# Altium PCB 智能车主板.PcbDoc (part 1 of 3) (continued)
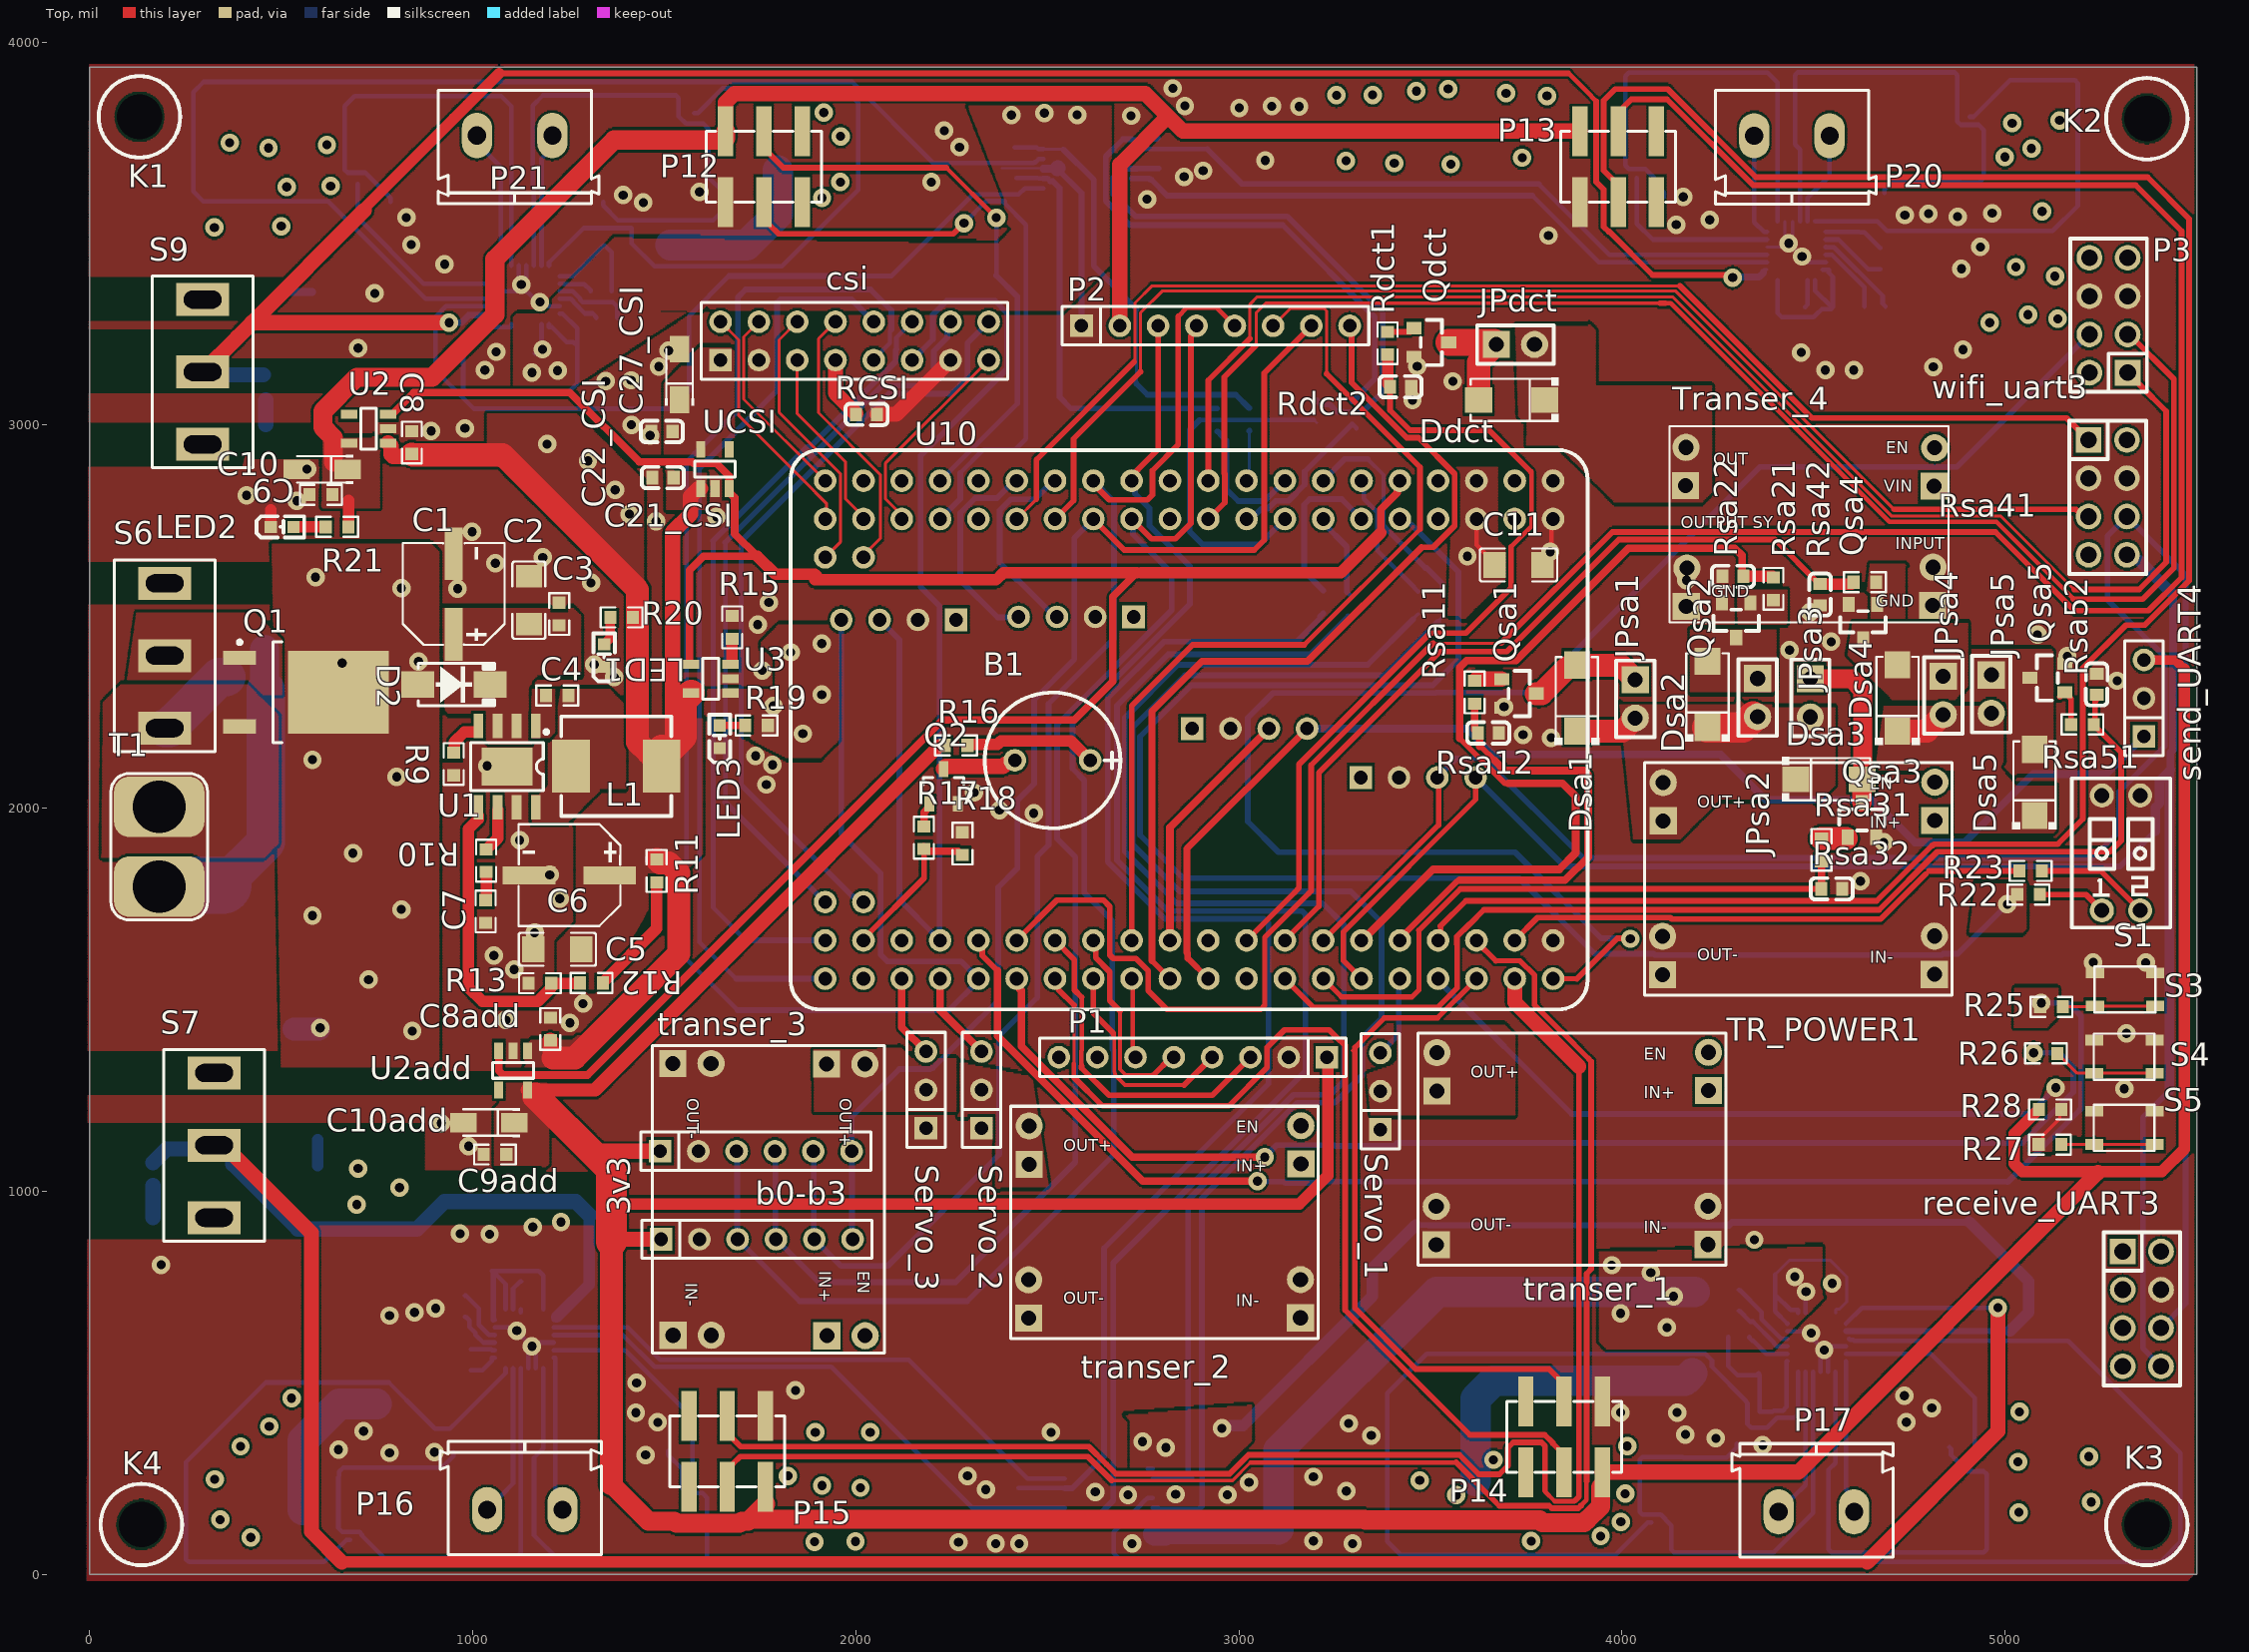
[diagram p0: Top view]
## Components (designator, comment, footprint, x,y, rotation, side; value= is the part's Value field where it differs from the comment) (continued)
P14 "编码器接口*4" HDR2X3-SMT 3848.9,359.38 r180 top
P15 "编码器接口*4" HDR2X3-SMT 1664.2,321.3 r180 top
P16 "KF301-5.0-2P" 端子 1135.93,169.1 r0 top
P17 "KF301-5.0-2P" 端子 4507.23,163.3 r0 top
P20 "KF301-5.0-2P" 端子 4443.43,3755.6 r180 top
P21 "KF301-5.0-2P" 端子 1109.43,3756.2 r180 top
Q1 "mos管" TO-252AA 520.4,2303.1 r0 top
Q2 "S8050" SOT-23（s8050三极管） 2239.2,2061.92 r270 top
Q3 "TPH1R403NL" DSOP-8_L5.0-W5.0-P1.27-EP-TL 570.95,164.97 r270 bottom
Q4 "TPH1R403NL" DSOP-8_L5.0-W5.0-P1.27-EP-TL 875,210 r0 bottom
Q5 "TPH1R403NL" DSOP-8_L5.0-W5.0-P1.27-EP-TL 1685.95,164.97 r90 bottom
Q6 "TPH1R403NL" DSOP-8_L5.0-W5.0-P1.27-EP-TL 1435,212.72 r0 bottom
Q7 "TPH1R403NL" DSOP-8_L5.0-W5.0-P1.27-EP-TL 3967.72,210 r270 bottom
Q8 "TPH1R403NL" DSOP-8_L5.0-W5.0-P1.27-EP-TL 4225,232.72 r0 bottom
Q9 "TPH1R403NL" DSOP-8_L5.0-W5.0-P1.27-EP-TL 5030,220 r90 bottom
Q10 "TPH1R403NL" DSOP-8_L5.0-W5.0-P1.27-EP-TL 4780,222.72 r0 bottom
Q11 "TPH1R403NL" DSOP-8_L5.0-W5.0-P1.27-EP-TL 5017.28,3730 r90 bottom
Q12 "TPH1R403NL" DSOP-8_L5.0-W5.0-P1.27-EP-TL 4760,3715 r180 bottom
Q13 "TPH1R403NL" DSOP-8_L5.0-W5.0-P1.27-EP-TL 3930,3720 r270 bottom
Q14 "TPH1R403NL" DSOP-8_L5.0-W5.0-P1.27-EP-TL 4185,3705 r180 bottom
Q15 "TPH1R403NL" DSOP-8_L5.0-W5.0-P1.27-EP-TL 1687.28,3740 r90 bottom
Q16 "TPH1R403NL" DSOP-8_L5.0-W5.0-P1.27-EP-TL 1415,3692.28 r180 bottom
Q17 "TPH1R403NL" DSOP-8_L5.0-W5.0-P1.27-EP-TL 590,3705 r270 bottom
Q18 "TPH1R403NL" DSOP-8_L5.0-W5.0-P1.27-EP-TL 860,3692.28 r180 bottom
Qdct "AO3402" ao3402 3502.3,3215.9 r180 top
Qsa1 "AO3402" ao3402 3731.3,2299.5 r180 top
Qsa2 "AO3402" ao3402 4297.9,2490.8 r90 top
Qsa3 "AO3402" ao3402 4626.2,1969.7 r270 top
Qsa4 "AO3402" ao3402 4629.1,2487.1 r90 top
Qsa5 "AO3402" ao3402 5110.12,2340.2 r0 top
R1 "100R" 0603R 3220.8,2538.2 r270 bottom
R2 "100R" 0603R 3286.3,2530.3 r270 bottom
R3 "100R" 0603R 3468.3,2536.3 r270 bottom
R4 "100R" 0603R 3532.8,2530 r270 bottom
R5 "100R" 0603R 3027.7,3015.2 r90 bottom
R6 "100R" 0603R 2943.3,3013.5 r90 bottom
R7 "100R" 0603R 3296,3032.1 r90 bottom
R8 "100R" 0603R 3202.9,3036.1 r90 bottom
R9 "200K" 0603R 950.4,2115.6 r270 top
R10 "20K" 0603R 1035.2,1863.1 r270 top
R11 "51K" 0603R 1480.2,1836.4 r270 top
R12 "1.5K" 0603R 1310,1543.9 r180 top
R13 "10K" 0603R 1175.3,1543.1 r180 top
R14 "10K" 0603R 455.3,2445.7 r270 bottom
R15 "4.7K" 0603R 1677.2,2472.1 r90 top
R16 "10R" 0603R 2261.7,2164 r0 top
R17 "4.7K" 0603R 2177.5,1923 r90 top
R18 "10K" 0603R 2278.3,1907.9 r90 top
R19 "10K" 0603R 1740.7,2216.1 r0 top
R20 "10K" 0603R 1388.7,2498.2 r0 top
R21 "4.7K" 0603R 646,2734.5 r0 top
R22 "100R" 0603R 5061.2,1774.7 r180 top
R23 "100R" 0603R 5066.6,1836.5 r180 top
R25 "100R" 0603R 5121.1,1481.5 r180 top
R26 "100R" 0603R 5106.6,1359.9 r180 top
R27 "100R" 0603R 5117,1121.9 r180 top
R28 "4.7K" 0603R 5117.46,1213.8 r180 top
R29 "330R" R0603 165,1045 r270 bottom
R30 "2.2K" R0603 530,1390 r270 bottom
R31 "1K" R0603 595,1165 r90 bottom
R32 "10K" 0603R 2400,145 r180 bottom
R33 "10K" 0603R 2395,225 r180 bottom
R34 "10K" 0603R 2930,175 r180 bottom
R35 "10K" 0603R 2905.34,250 r180 bottom
R36 "2.2K" R0603 400,3460 r270 bottom
R37 "1K" R0603 480,3350 r180 bottom
R38 "330R" R0603 457.3,3097.8 r270 bottom
R39 "10K" 0603R 2820,3750 r0 bottom
R40 "10K" 0603R 2820,3670 r0 bottom
R41 "10K" 0603R 2385,3725 r0 bottom
R42 "10K" 0603R 2390,3645 r0 bottom
RCSI "10K" C0603 2028,3028.3 r180 top
Rdct1 "100R" 0603R 3388,3213.8 r90 top
Rdct2 "10k" C0603 3422.2,3100.1 r0 top
receive_UART3 "Header 4X2" HDR-2*4 5357.1,693.2 r270 top
Rsa11 "100R" 0603R 3615.3,2302.7 r90 top
Rsa12 "10k" C0603 3651,2196.4 r0 top
Rsa21 "100R" 0603R 4395.3,2572.8 r270 top
Rsa22 "10k" C0603 4289.4,2605.2 r180 top
Rsa31 "100R" 0603R 4520.7,1891.3 r90 top
Rsa32 "10k" C0603 4547.8,1789.5 r0 top
Rsa41 "100R" 0603R 4634,2590.1 r0 top
Rsa42 "10k" C0603 4517,2557.55 r270 top
Rsa51 "100R" 0603R 5201.7,2218.5 r180 top
Rsa52 "10k" C0603 5239.2,2323.4 r90 top
S1 "编码开关" 拨码开关 5302.7,1883.3 r0 top
S3 "6x6x5" 轻触开关 5313.3,1526.9 r0 top
S4 "6x6x5" 轻触开关 5311.2,1351.5 r0 top
S5 "6x6x5" 轻触开关 5311.2,1165.7 r0 top
S6 "单刀双置开关" 逐飞黑开关 196,2398.1 r270 top
S7 "SS-12D10L5" 逐飞黑开关 325,1120 r90 top
S9 "SS-12D10L5" 逐飞黑开关 295,3138.98 r90 top
send_UART4 "HDR-1X3" HDR1X3 5362.5,2187.1 r90 top
Servo_1 "HDR-1X3" HDR1X3 3369.3,1161.3 r90 top
Servo_2 "HDR-1X3" HDR1X3 2328,1164.9 r90 top
Servo_3 "HDR-1X3" HDR1X3 2183,1164.9 r90 top
T1 "T型插头" T插头 181.7,1899.6 r0 top
TR_POWER1 "MPSxxVV10,1" MPSxxVV10,1模块贴片封装 4460.3,1815.5 r0 top locked
transer_1 "MPSxxVV10,1" MPSxxVV10,1模块贴片封装 3869.4,1110.4 r0 top locked
transer_2 "MPSxxVV10,1" MPSxxVV10,1模块贴片封装 2805.5,918.94 r0 top
transer_3 "MPSxxVV10,1" MPSxxVV10,1模块贴片封装 1772,979.3 r270 top
Transer_4 "MTxxVV10" MTxxVV10模块贴片封装 4475.24,2741.11 r0 top
U1 "SCT2450" SOP-8E 1089.7,2108.6 r270 top
U2 "RT9013-33" SOT-23-5（rt9013-33） 728.1,2990.7 r180 top
U2add "RT9013-33" SOT-23-5（rt9013-33） 1105.4,1315.7 r270 top
U3 "RY2121" SOT-23-5（rt9013-33） 1621.4,2338.2 r180 top
U4 "DRV8701ERGER" VQFN-24_L4.0-W4.0-P0.50-BL-EP2.8 1135,615 r90 bottom
U5 "DRV8701ERGER" VQFN-24_L4.0-W4.0-P0.50-BL-EP2.8 4508.22,605.48 r90 bottom
U6 "SN74HC125PWR" TSSOP-14_L5.0-W4.4-P0.65-LS6.5-BL 2660.16,199.41 r90 bottom
U7 "DRV8701ERGER" VQFN-24_L4.0-W4.0-P0.50-BL-EP2.8 1150,3340 r270 bottom
U8 "DRV8701ERGER" VQFN-24_L4.0-W4.0-P0.50-BL-EP2.8 4455,3455 r270 bottom
U9 "SN74HC125PWR" TSSOP-14_L5.0-W4.4-P0.65-LS6.5-BL 2605,3695 r270 bottom
U10 "RT1064 核心板" 核心板 2870,2205 r180 top locked
uart1 "Header 4" HDR1X4 2725,2499.5 r180 bottom
uart3 "Header 4" HDR1X4 3317.9,2080.1 r0 bottom
uart4 "Header 4" HDR1X4 2878,2207.9 r0 bottom
uart5 "uart5" HDR1X4 2262,2491.7 r180 bottom
UCSI "RT9013-33GB" SOT-23-5（rt9013-33） 1632.3,2885.42 r90 top
wifi_uart3 "Header 4X2" HDR-2*4 5268,2811.5 r270 top

## Footprints (in the part's own frame and the unit in brackets; to place one, negate y for a bottom-side part, rotate by r counter-clockwise, add the part's x,y. Pads: shape width x height; smd on the part's side, far side on the other; paste and mask are expansions set on the pad)
1N5819W_C727115 [mm]
  rect 1.8x1.7 smd mask+0.051: 1(-2.192,0) 2(2.192,0)
  silkscreen extent -3.11,-1.48 2.73,1.48
22uf25v贴片铝水解电容（6.3，7.7） [mm]
  rect 3.5x1.2 smd mask+0.051: 1(-2.67,0) 2(2.67,0)
  silkscreen extent -3.38,-3.38 3.38,3.38
0603R [mil]
  rect 31.75x34.02 smd mask+2: 1(-29.66,0) 2(29.66,0)
  silkscreen extent -55,-26 55,26
1206C [mm]
  rect 1.485x1.728 smd mask+0.051: 1(-1.593,0) 2(1.593,0)
  silkscreen extent -2.56,-1.09 2.56,1.09
ao3402 [mm]
  rect 1x0.8 smd paste+0 mask+0.051: 1(1.15,-0.95) 2(1.15,0.95) 3(-1.15,0)
  silkscreen extent -0.7,-1.5 0.7,1.5
C0603 [mm]
  rect 0.8x0.9 smd: 1(-0.7,0) 2(0.7,0)
  silkscreen extent -1.41,-0.71 1.39,0.72
"CASE-A-3216  钽电容" [mil]
  rect 69.19x51.02 smd mask+2: 1(-66.39,0) 2(66.39,0)
  silkscreen extent -81,-37 66,37
DSOP-8_L5.0-W5.0-P1.27-EP-TL [mm]
  rect 0.5x1 smd: 1(-1.906,-2.77) 2(-0.636,-2.77) 3(0.634,-2.77) 4(1.904,-2.77)
  rect 0.5x1.2 smd: 5(1.906,2.77) 6(0.636,2.77) 7(-0.634,2.77) 8(-1.904,2.77)
  rect 4.572x3.81 smd: 9(0,0.45)
  silkscreen extent -3.17,-3.17 2.5,2.5
HDR1X3 [mm]
  rect 1.5x1.5 hole 0.9: 1(0,0)
  round 1.5 hole 0.9: 2(2.54,0) 3(5.08,0)
  silkscreen extent -1.27,-1.27 6.35,1.27, body extent -1.27,-1.27 6.35,1.27, height 8.54
HDR1X4 [mm]
  rect 1.5x1.5 hole 0.9: 1(0,0)
  round 1.5 hole 0.9: 2(2.54,0) 3(5.08,0) 4(7.62,0)
  silkscreen extent -1.27,-1.27 8.89,1.27, body extent -1.27,-1.27 8.89,1.27, height 8.54
HDR1X6 [mm]
  rect 1.5x1.5 hole 0.9: 1(0,0)
  round 1.5 hole 0.9: 2(2.54,0) 3(5.08,0) 4(7.62,0) 5(10.16,0) 6(12.7,0)
  silkscreen extent -1.27,-1.27 13.97,1.27, body extent -1.27,-1.27 13.97,1.27, height 8.54
HDR1X8 [mm]
  rect 1.5x1.5 hole 0.9: 1(0,0)
  round 1.5 hole 0.9: 2(2.54,0) 3(5.08,0) 4(7.62,0) 5(10.16,0) 6(12.7,0) 7(15.24,0) 8(17.78,0)
  silkscreen extent -1.27,-1.27 19.05,1.27, body extent -1.27,-1.27 19.05,1.27, height 8.54
HDR2X3-SMT [mm]
  rect 1.02x3.3 smd: 1(-2.54,-2.35) 2(-2.54,2.35) 3(0,-2.35) 4(0,2.35) 5(2.54,-2.35) 6(2.54,2.35)
  silkscreen extent -3.81,-2.35 3.81,2.35, body extent -3.81,-3.75 3.81,3.75, height 9.67
HDR2X8 [mm]
  rect 1.5x1.5 hole 0.9: 1(0,0)
  round 1.5 hole 0.9: 2(0,2.54) 3(2.54,0) 4(2.54,2.54) 5(5.08,0) 6(5.08,2.54) 7(7.62,0) 8(7.62,2.54) 9(10.16,0) 10(10.16,2.54) 11(12.7,0) 12(12.7,2.54) 13(15.24,0) 14(15.24,2.54) 15(17.78,0) 16(17.78,2.54)
  silkscreen extent -1.27,-1.27 19.05,3.81, body extent -1.52,-1.27 19.3,3.81, height 16.2
HDR-2*4 [mm]
  rect 1.7x1.7 hole 1.1 mask+0.051: 1(-3.81,-1.27)
  round 1.7 hole 1.1 mask+0.051: 2(-3.81,1.27) 3(-1.27,-1.27) 4(-1.27,1.27) 5(1.27,-1.27) 6(1.27,1.27) 7(3.81,-1.27) 8(3.81,1.27)
  silkscreen extent -5.08,-2.54 5.08,2.54
HDR-2P [mm]
  rect 1.8x1.8 hole 1 paste+0 mask+0.051: 1(-1.27,0)
  round 1.8 hole 1 paste+0 mask+0.051: 2(1.27,0)
  silkscreen extent -2.54,-1.27 2.54,1.27
LED0603-RD [mm]
  rect 0.8x0.8 smd: 1(-0.799,-0.003) 2(0.799,0.004)
  silkscreen extent -1.49,-0.75 1.39,0.76
"led 0603" [mm]
  rect 0.8x0.8 smd mask+0.051: 1(0.75,0) 2(-0.75,0)
  silkscreen extent -1.7,-0.7 1.47,0.7
MPSxxVV10,1模块贴片封装 [mm]
  round 1.8 hole 1 paste+0 mask+0.051: 1(-8.96,6.39) 3(-9,-3.81) 6(9.02,-3.79) 8(9.05,6.41)
  rect 1.8x1.8 hole 1 paste+0 mask+0.051: 2(-8.96,3.85) 4(-9,-6.35) 5(9.02,-6.33) 7(9.05,3.87)
  Top region: -9.28,3.53 -9.28,4.17 -8.64,4.17 -8.64,3.53 -9.28,3.53
  Top region: -9.28,6.07 -9.28,6.71 -8.64,6.71 -8.64,6.07 -9.28,6.07
  silkscreen extent -10.2,-7.7 10.2,7.7
MTxxVV10模块贴片封装 [mm]
  round 1.8 hole 1 paste+0 mask+0.051: 1(8.66,5.07) 3(8.55,-2.84) 4(-7.77,-2.9) 5(-7.83,5.1)
  rect 1.8x1.8 hole 1 paste+0 mask+0.051: 2(8.62,2.53) 3(8.51,-5.38) 4(-7.81,-5.44) 5(-7.87,2.56)
  Top region: 8.23,-3.16 8.23,-2.52 8.87,-2.52 8.87,-3.16 8.23,-3.16
  Top region: 8.23,-5.7 8.23,-5.06 8.87,-5.06 8.87,-5.7 8.23,-5.7
  Top region: -8.09,-3.22 -8.09,-2.58 -7.45,-2.58 -7.45,-3.22 -8.09,-3.22
  Top region: -8.09,-5.76 -8.09,-5.12 -7.45,-5.12 -7.45,-5.76 -8.09,-5.76
  Top region: -8.15,4.78 -8.15,5.42 -7.51,5.42 -7.51,4.78 -8.15,4.78
  Top region: -8.15,2.24 -8.15,2.88 -7.51,2.88 -7.51,2.24 -8.15,2.24
  silkscreen extent -8.92,-6.5 9.58,6.5
R0603 [mil]
  rect 31.75x34.02 smd: 1(-29.66,0) 2(29.66,0)
  silkscreen extent -55,-26 55,26
SMA（SS54） [mm]
  rect 2.2x1.75 smd: A(-2.4,0) K(2.4,0)
  silkscreen extent -2.37,-1.4 2.7,1.4, body extent -2.9,-1.46 2.91,1.46, height 2.3
SOD-123 [mm]
  rect 1x0.85 smd: A(-1.75,0) K(1.75,0)
  silkscreen extent -1.32,-0.9 1.47,0.9, body extent -1.85,-0.8 1.85,0.8, height 1.2
SOD-123_L2.7-W1.6-LS3.7-RD [mm]
  rect 0.88x0.96 smd: 1(-1.61,0) 2(1.61,0)
  silkscreen extent -1.6,-1 1.38,1
SOP-8E [mm]
  rect 2.5x3.4 smd: 0(0,0)
  rect 1.6x0.65 smd: 1(-2.7,1.905) 2(-2.7,0.635) 3(-2.7,-0.635) 4(-2.7,-1.905) 5(2.7,-1.905) 6(2.7,-0.635) 7(2.7,0.635) 8(2.7,1.905)
  silkscreen extent -2.42,-2.4 1.58,2.73, body extent -3.11,-2.45 3.11,2.45, height 1.75
SOT-23-5（rt9013-33） [mm]
  rect 1.1x0.6 smd: 1(-1.3,0.95) 2(-1.3,0) 3(-1.3,-0.95) 4(1.3,-0.95) 5(1.3,0.95)
  silkscreen extent -0.53,-1.35 0.53,1.35, body extent -1.42,-1.46 1.42,1.46, height 1.08
SOT-23（s8050三极管） [mm]
  rect 1.05x0.65 smd: 1(1.277,-1.204) 2(1.277,0.696) 3(-1.023,-0.254)
  silkscreen extent -0.46,-1.6 0,1.09, body extent -1.27,-1.7 1.53,1.2, height 1.2
TO-252AA [mm]
  rect 6.7x5.5 smd: 1(3.275,0)
  rect 2.2x0.95 smd: 2(-3.275,2.28) 3(-3.275,-2.28)
  silkscreen extent -3.4,-3.35 -0.47,3.43, body extent -3.77,-3.27 6.16,3.27, height 2.39
TSSOP-14_L5.0-W4.4-P0.65-LS6.5-BL [mil]
  rect 12x39 smd: 1(-76.77,-115.16) 2(-51.18,-115.16) 3(-25.59,-115.16) 4(0,-115.16) 5(25.59,-115.16) 6(51.18,-115.16) 7(76.77,-115.16) 8(76.77,115.16) 9(51.18,115.16) 10(25.59,115.16) 11(0,115.16) 12(-25.59,115.16) 13(-51.18,115.16) 14(-76.77,115.16)
  silkscreen extent -106,-121 98,87
T插头 [mm]
  rrect50% 6x4 hole 3.5: 1(0,2.65) 2(0,-2.65)
  silkscreen extent -3.2,-4.85 3.2,4.85
VQFN-24_L4.0-W4.0-P0.50-BL-EP2.8 [mm]
  rect 0.3x0.7 smd: 1(-1.25,-1.95) 2(-0.75,-1.95) 3(-0.25,-1.95) 4(0.25,-1.95) 5(0.75,-1.95) 6(1.25,-1.95) 13(1.25,1.95) 14(0.75,1.95) 15(0.25,1.95) 16(-0.25,1.95) 17(-0.75,1.95) 18(-1.25,1.95)
  rect 0.7x0.3 smd: 7(1.95,-1.25) 8(1.95,-0.75) 9(1.95,-0.25) 10(1.95,0.25) 11(1.95,0.75) 12(1.95,1.25) 19(-1.95,1.25) 20(-1.95,0.75) 21(-1.95,0.25) 22(-1.95,-0.25) 23(-1.95,-0.75) 24(-1.95,-1.25)
  rect 2.8x2.8 smd: 25(0,0)
  silkscreen extent -2.1,-2.67 2.1,2.1
功率电感SMD_L7.3-W6.6 [mm]
  rect 2.5x3.5 smd mask+0.051: 1(-3,0) 2(3,0)
  silkscreen extent -3.65,-3.3 3.65,3.3
固定孔M3 [mm]
  rect 0x0 hole 3 unplated: 1(0,0)
  Keep-Out Layer circle w0.254: c0,0 r2.7
  silkscreen extent -2.7,-2.7 2.7,2.7
拨码开关 [mm]
  round 1.6 hole 1 mask+0.05: 1(-1.27,-3.81) 2(1.27,-3.81) 3(1.27,3.81) 4(-1.27,3.81)
  silkscreen extent -3.27,-4.95 3.27,4.95
核心板 [mm] "i.MX RT1064核心板整体封装，可直接使用"
  round 1.5 hole 0.9: 1(-24.13,-16.51) 2(-24.13,-13.97) 3(-21.59,-16.51) 4(-21.59,-13.97) 5(-19.05,-16.51) 6(-19.05,-13.97) 7(-16.51,-16.51) 8(-16.51,-13.97) 9(-13.97,-16.51) 10(-13.97,-13.97) 11(-11.43,-16.51) 12(-11.43,-13.97) 13(-8.89,-16.51) 14(-8.89,-13.97) 15(-6.35,-16.51) 16(-6.35,-13.97) 17(-3.81,-16.51) 18(-3.81,-13.97) 19(-1.27,-16.51) 20(-1.27,-13.97) 21(1.27,-16.51) 22(1.27,-13.97) 23(3.81,-16.51) 24(3.81,-13.97) 25(6.35,-16.51) 26(6.35,-13.97) 27(8.89,-16.51) 28(8.89,-13.97) 29(11.43,-16.51) 30(11.43,-13.97) 31(13.97,-16.51) 32(13.97,-13.97) 33(16.51,-16.51) 34(16.51,-13.97) 35(19.05,-16.51) 36(19.05,-13.97) 37(21.59,-16.51) 38(21.59,-13.97) 39(24.13,-16.51) 40(24.13,-13.97) 41(21.59,-11.43) 42(24.13,-11.43) 43(24.13,11.43) 44(21.59,11.43) 45(24.13,13.97) 46(24.13,16.51) 47(21.59,13.97) 48(21.59,16.51) 49(19.05,13.97) 50(19.05,16.51) 51(16.51,13.97) 52(16.51,16.51) 53(13.97,13.97) 54(13.97,16.51) 55(11.43,13.97) 56(11.43,16.51) 57(8.89,13.97) 58(8.89,16.51) 59(6.35,13.97) 60(6.35,16.51) 61(3.81,13.97) 62(3.81,16.51) 63(1.27,13.97) 64(1.27,16.51) 65(-1.27,13.97) 66(-1.27,16.51) 67(-3.81,13.97) 68(-3.81,16.51) 69(-6.35,13.97) 70(-6.35,16.51) 71(-8.89,13.97) 72(-8.89,16.51) 73(-11.43,13.97) 74(-11.43,16.51) 75(-13.97,13.97) 76(-13.97,16.51) 77(-16.51,13.97) 78(-16.51,16.51) 79(-19.05,13.97) 80(-19.05,16.51) 81(-21.59,13.97) 82(-21.59,16.51) 83(-24.13,13.97) 84(-24.13,16.51)
  silkscreen extent -26.42,-18.54 26.42,18.54
端子 [mm]
  oval 2x3 hole 1.2: 1(-2.5,0) 2(2.5,0)
  silkscreen extent -5.6,-3 5.08,4.52, body extent -5.6,-3 5,4.6, height 10
蜂鸣器 [mm]
  round 1.5 hole 0.9: 1(-2.5,0) 2(2.5,0)
  silkscreen extent -4.5,-4.5 4.5,4.5, body extent -4.8,-4.8 4.8,4.8, height 5.05
轻触开关 [mm]
  rect 1.2x0.7 smd: 1(-2,-1.1) 1(2,-1.1) 2(-2,1.1) 2(2,1.1)
  silkscreen extent -2.02,-1.52 2,1.52, body extent -2.3,-1.6 2.3,1.6, height 2.5
逐飞黑开关 [mm]
  rect 2.2x3.5 hole 2.5 slot 1.2 at 0 deg mask+0.07: 1(-4.8,0) 2(0,0) 3(4.8,0)
  silkscreen extent -6.35,-3.35 6.35,3.35, body extent -6.4,-3.3 6.35,3.8, height 12.5

## Part data
3v3 b0-b3: library part "Header 6", "6P接插件", BOM名称=6P接插件, 学习资源=https://shop463601444.taobao.com, 版权归属="封装库来自淘宝 ID：黄晶宝石"
B1: "蜂鸣器", BOM名称=蜂鸣器, 学习资源=www.ooocke.com, 版权归属=源创客
C1 C6 C27_CSI: library part 带+电容, "贴片钽电容", BOM名称=贴片钽电容, 淘宝ID="封装库来自淘宝 ID：黄晶宝石", 联系售后=https://shop463601444.taobao.com
C2 C3 C4 C5 C7 C8 C8add C9 C9add C11 C21_CSI C22_CSI: library part C, "无极性贴片电容", BOM名称=无极性贴片电容, 学习资源=www.ooocke.com, 材质=X7R, 版权归属=源创客
C10 C10add: library part 带+电容, "贴片钽电容 T494B106K016AT", BOM名称=贴片钽电容, 淘宝ID="封装库来自淘宝 ID：黄晶宝石", 联系售后=https://shop463601444.taobao.com
C12 C19 C30 C32: library part 10uF_1, BOM_JLCPCB Part Class="Extended Part", BOM_Manufacturer=SAMSUNG, BOM_Manufacturer Part=CL21B106KOQNNNE, BOM_Supplier=LCSC, BOM_Supplier Part=C95841, nameAlias=Capacitance, spicePre=C, spiceSymbolName=CL21B106KOQNNNE
C13 C14 C20 C22 C26 C27 C33 C34: BOM_JLCPCB Part Class="Basic Part", BOM_Manufacturer=YAGEO, BOM_Manufacturer Part=CC0603KRX7R9BB104, BOM_Supplier=LCSC, BOM_Supplier Part=C14663, nameAlias=Capacitance, spicePre=C, spiceSymbolName=CC0603KRX7R9BB104
C15 C16 C17 C21 C23 C24 C28 C29 C31 C35 C36 C37: library part 100nF, BOM_JLCPCB Part Class="Basic Part", BOM_Manufacturer=YAGEO, BOM_Manufacturer Part=CC0603KRX7R9BB104, BOM_Supplier=LCSC, BOM_Supplier Part=C14663, nameAlias=Capacitance, spicePre=C, spiceSymbolName=CC0603KRX7R9BB104
C18 C25: library part 100uF, BOM_JLCPCB Part Class="Extended Part", BOM_Manufacturer=Ymin, BOM_Manufacturer Part=VPXC0581E101MVTM, BOM_Supplier=LCSC, BOM_Supplier Part=C480063, Contributor=LCSC, nameAlias=Capacitance, spicePre=C, spiceSymbolName=VPXC0581E101MVTM
csi: "8*2P接插件", BOM名称=8*2P接插件, 学习资源=https://shop463601444.taobao.com, 版权归属="封装库来自淘宝 ID：黄晶宝石"
D1: BOM_JLCPCB Part Class="Extended Part", BOM_Manufacturer="Shandong Jingdao Microelectronics", BOM_Manufacturer Part=BZT52C16, BOM_Supplier=LCSC, BOM_Supplier Part=C353554, Contributor=LCSC, spicePre=D, spiceSymbolName=BZT52C16_C353554
D2: library part SS54, BOM_JLCPCB Part Class="Extended Part", BOM_Manufacturer="Slkor(SLKORMICRO Elec.)", BOM_Manufacturer Part=SS54, BOM_Supplier=LCSC, BOM_Supplier Part=C513478, Contributor=LCSC, spicePre=D, spiceSymbolName=SS54_C513478
D3 D4 D7 D8 Ddct Dsa1 Dsa2 Dsa3 Dsa4 Dsa5: BOM_JLCPCB Part Class="Extended Part", BOM_Manufacturer=TWGMC, BOM_Manufacturer Part=1N5819W, BOM_Supplier=LCSC, BOM_Supplier Part=C727115, Contributor=LCSC, spicePre=D, spiceSymbolName=1N5819W_C727115
D5 D6: library part 3V3稳压二极管, BOM_JLCPCB Part Class="Extended Part", BOM_Manufacturer=LGE, BOM_Manufacturer Part=BZT52C3V3, BOM_Supplier=LCSC, BOM_Supplier Part=C545347, Contributor=LCSC, spicePre=D, spiceSymbolName=BZT52C3V3_C545347
JPdct JPsa1 JPsa2 JPsa3 JPsa4 JPsa5: library part "Header 2", "2P接插件", BOM名称=2P接插件, 学习资源=www.ooocke.com, 版权归属=源创客
K1 K2 K3 K4: "铜柱孔", BOM名称=铜柱孔, 学习资源=www.ooocke.com, 版权归属=源创客
L1: library part 电感
LED1 LED2 LED3: library part LED-5MM, "5mm插件LED", BOM名称=5mm插件LED, 学习资源=www.ooocke.com, 版权归属=源创客
LED4 LED5 LED6 LED7: BOM_JLCPCB Part Class="Extended Part", BOM_Manufacturer="Wuxi ARK Tech Elec", BOM_Manufacturer Part=D-G060306G1-KS2, BOM_Supplier=LCSC, BOM_Supplier Part=C118334, Contributor=LCSC, spicePre=L, spiceSymbolName=D-G060306G1-KS2
P1: library part "Header 8", "8P接插件", BOM名称=8P接插件, 学习资源=https://shop463601444.taobao.com, 版权归属="封装库来自淘宝 ID：黄晶宝石"
P2: library part "Header 8", "屏幕", BOM名称=8P接插件, 学习资源=https://shop463601444.taobao.com, 版权归属="封装库来自淘宝 ID：黄晶宝石"
P3: library part 无线串口模块
P16 P17 P20 P21: BOM_JLCPCB Part Class="Extended Part", BOM_Manufacturer="Cixi Kefa Elec", BOM_Manufacturer Part=KF301-5.0-2P, BOM_Supplier=LCSC, BOM_Supplier Part=C474881, Contributor=LCSC, spicePre=U, spiceSymbolName=KF301-5.0-2P
Q1: "HY19P03 P-Channel MOSFET"
Q2: library part 三极管, "三极管NPN型 蜂鸣器  S8050", BOM名称=高频放大-NPN型, 属性="40V 1.5A 1W 100MHZ", 技术支持，联系售后=https://shop463601444.taobao.com, 版权归属="封装库来自淘宝 ID：黄晶宝石"
Q3 Q4 Q5 Q6 Q7 Q8 Q9 Q10 Q11 Q12 Q13 Q14 Q15 Q16 Q17 Q18: BOM_JLCPCB Part Class="Extended Part", BOM_Manufacturer=TOSHIBA, BOM_Manufacturer Part=TPH1R403NL, BOM_Supplier=LCSC, BOM_Supplier Part=C83440, spicePre=Q, spiceSymbolName=TPH1R403NL
Qdct Qsa1 Qsa2 Qsa3 Qsa4 Qsa5: Continuous Drain Current (Id)=4A, Drain Source On Resistance (RDS(on)@Vgs,Id)=55mΩ@10V,4A, Drain Source Voltage (Vdss)=30V, Gate Threshold Voltage (Vgs(th)@Id)=1.4V@250uA, Input Capacitance (Ciss@Vds)=390pF@15V, JLCPCB Part Class="Extended Part", LCSC Part Name="N沟道 30V 4A", Manufacturer=AOS, Operating Temperature=-55℃~+150℃@(Tj), Power Dissipation (Pd)=1.4W, Add into BOM=yes, Convert to PCB=yes, Datasheet=https://atta.szlcsc.com/upload/public/pdf/source/20171023/C14385_15087455190191052858.pdf, Device=AO3402, Manufacturer Part=AO3402, Name=AO3402, Supplier=LCSC, Supplier Footprint=SOT-23, Supplier Part=C14385, Symbol=AO3402_C14385, Total Gate Charge (Qg@Vgs)=4.34nC@4.5V, Type=N沟道
R1 R2 R3 R4 R5 R7 R8: library part R, "0603"
R6: library part R, "100R 均用 0603"
R9 R10 R11 R12 R13 R14 R15 R16 R17 R18 R19 R20 R21 R22 R23 R25 R26 R27 R28 RCSI Rdct1 Rdct2 Rsa11 Rsa12 Rsa21 Rsa22 Rsa31 Rsa32 Rsa41 Rsa42 Rsa51 Rsa52: library part R
R29 R30 R31 R32 R33 R34 R35 R36 R37 R38 R39 R40 R41 R42: library part 100K, BOM_JLCPCB Part Class="Extended Part", BOM_Manufacturer=YAGEO, BOM_Manufacturer Part=RC0603JR-07100KL, BOM_Supplier=LCSC, BOM_Supplier Part=C100048, Contributor=LCSC, nameAlias="Resistance (Ohms)", spicePre=R, spiceSymbolName=RC0603JR-07100KL
receive_UART3 wifi_uart3: "4*2P接插件", BOM名称=4*2P接插件, 学习资源=https://shop463601444.taobao.com, 版权归属="封装库来自淘宝 ID：黄晶宝石"
S1: "2路编码开关", BOM名称=2路编码开关, 学习资源=www.ooocke.com, 版权归属=源创客
S3 S4 S5: library part 轻触开关, "2脚直插6x6轻触开关", BOM名称=2脚轻触开关, 学习资源=www.ooocke.com, 版权归属=源创客
S7 S9: BOM_JLCPCB Part Class="Extended Part", BOM_Manufacturer="XKB Enterprise", BOM_Manufacturer Part=SS-12D10L5, BOM_Supplier=LCSC, BOM_Supplier Part=C319012, Contributor=LCSC, spicePre=S, spiceSymbolName=SS-12D10L5
send_UART4 Servo_1 Servo_2 Servo_3: library part "Header 3", "3P接插件", BOM名称=3P接插件, 学习资源=https://shop463601444.taobao.com, 版权归属="封装库来自淘宝 ID：黄晶宝石"
U1: BOM_JLCPCB Part Class="Extended Part", BOM_Manufacturer=SCT(芯洲科技), BOM_Manufacturer Part=SCT2450CSTER, BOM_Supplier=LCSC, BOM_Supplier Part=C2830168, Contributor=LCSC, spicePre=U, spiceSymbolName=SCT2450CSTER
U2 U2add: BOM_JLCPCB Part Class="Extended Part", BOM_Manufacturer=RICHTEK, BOM_Manufacturer Part=RT9013-33GB, BOM_Supplier=LCSC, BOM_Supplier Part=C47773, spicePre=U, spiceSymbolName=RT9013-33GB
U3: BOM_Manufacturer=RYCHiP(蕊源), BOM_Manufacturer Part=RY2121, BOM_Supplier=LCSC, BOM_Supplier Part=C2887853, Contributor=LCSC, spicePre=U, spiceSymbolName=RY2121
U4 U5 U6 U7 U8 U9: BOM_JLCPCB Part Class="Extended Part", BOM_Manufacturer="Texas Instruments", BOM_Supplier=LCSC, Contributor=LCSC, spicePre=U
  U4 U5 U7 U8: BOM_Manufacturer Part=DRV8701ERGER, BOM_Supplier Part=C90964, spiceSymbolName=DRV8701ERGER
  U6 U9: BOM_Manufacturer Part=SN74HC125PWR, BOM_Supplier Part=C132994, spiceSymbolName=SN74HC125PWR
U10: library part MIMXRT1064xVL_CoreBoard, "逐飞科技i.MX RT1064核心板整体原理，可直接使用"
uart1: library part UART1
uart3 uart4: library part UART4
uart5: library part PZ254V-11-04P, Color=黑色, Current Rating (Max)=3A, JLCPCB Part Class="Extended Part", LCSC Part Name="2.54mm 1x4P 直插 方针", Manufacturer=XFCN(兴飞), Operating Temperature Range=-40℃~+105℃, Voltage Rating (Max)=250V, Add into BOM=yes, Circluar Pins/Square Pins=方针, Contact Material=-, Convert to PCB=yes, Datasheet=https://atta.szlcsc.com/upload/public/pdf/source/20200309/C492403_F9F19131791D08044AD4F84F8E751A34.pdf, Device=PZ254V-11-04P, Insulation Height=2.5mm, Length of End Connection Pin=3mm, Length of Mating Pin=6mm, Manufacturer Part=PZ254V-11-04P, Mounting Type=直插, Name=PZ254V-11-04P, Number of Pins=4P, Number of Rows=单排, Pin Structure=1x4P, Pitch=2.54mm, Row Spacing=-, Supplier=LCSC, Supplier Footprint=插件,P=2.54mm, Supplier Part=C2691448, Symbol=PZ254V-11-04P_C2691448
UCSI: library part RT9013-33, BOM_JLCPCB Part Class="Extended Part", BOM_Manufacturer=RICHTEK, BOM_Manufacturer Part=RT9013-33GB, BOM_Supplier=LCSC, BOM_Supplier Part=C47773, spicePre=U, spiceSymbolName=RT9013-33GB
S6: BOM名称=MTS10x系列3脚扭子开关, 学习资源=www.ooocke.com, 版权归属=源创客

## Via types
v1: diameter 48, hole 24, Top to Bottom, tented both sides, 262 vias

## Nets (pads, with @x,y where several pads share a name; then routed paths per layer and width w, separated by ;. In a path a pad name is that pad's centre, name@x,y a point inside that pad or via, vN(x,y) a via of type N, cw(c..) or ccw(c..) an arc to the next point about the centre after c; other vN are vias at no path point)
3V3: 3v3.1 b0-b3.1 C9add.2 C10add.1 P1.1 P14.2 P15.2 R16.1 R28.2 send_UART4.3 U2add.5 | length 11500.6
  Top w5: P15.2@1764.2,183.9 P15.2@1764.2,228.78
  Top w8: 1326.15,1087.25 1343.4,1104.5 ; 1362.2,868.4 1368.7,874.9
  Top w25: send_UART4.3@5362.5,2387.1 5444,2387.1 5468,2363.1
  Top w30: 1362.2,966.4 3157.46,966.4 3231.7,1040.64 3231.7,1348.3 P1.1@3230,1350 ; R16.1@2217.5,2162.9 2230.94,2162.9 R16.1@2232.04,2164 ; R28.2@5087.8,1213.8 5087.8,1212.67 5086.92,1211.79 5085.79,1211.79 5023.88,1149.88 5023.88,1072.22 5044.27,1051.82 5409.52,1051.82 5468,1110.3 5468,2363.1
  Top w35: U2add.5@1142.8,1264.52 1319.12,1264.52 1652.7,1598.1 R16.1@2217.5,2162.9
  Top w40: 1343.4,1104.5 3v3.1@1488.9,1104.5 ; 1368.7,874.9 b0-b3.1@1491.6,874.9 ; P14.2@3948.9,266.86 4460.16,266.86 5242.2,1048.9
  Top w50: 1362.2,236 1459.2,139 1526.51,139 1531.69,133.82 1696.71,133.82 1701.89,139 1719.3,139 P15.2@1764.2,183.9 ; 1724.4,144.1 3327.74,144.1 3329.94,141.9 3785.58,141.9 3792.58,134.9 3900.97,134.9 3907.97,141.9 3908.73,141.9 3943.98,177.15 P14.2@3943.98,226.9
  Top w60: 1362.2,236 1362.2,868.4
  Top w70: 1164.4,1249 1326.15,1087.25 1362.2,1051.2
  Top w80: 1362.2,868.4 1362.2,966.4 1362.2,1051.2
B0: 3v3.3 b0-b3.3 P2.3 U10.23 | length 3864.5
  Top w15: U10.23@2720,2855 2720,2866.92 2735.14,2882.06 2735.14,2883.44 2789.1,2937.4 P2.3@2789.1,3259.3
  Bottom w8: 3v3.3@1688.9,1104.5 3v3.3@1690.25,1103.15 ; b0-b3.3@1690.25,876.25 b0-b3.3@1691.6,874.9
  Bottom w15: b0-b3.3@1690.25,876.25 3v3.3@1690.25,1103.15 ; b0-b3.3@1691.6,874.9 1853.5,713 2291.2,713 2673.03,1094.83 2673.03,1367.82 2669.5,1371.35 2669.5,1519.88 2669.5,1706.1 2596.7,1778.9 2596.7,2072.6 2566,2103.3 2566,2226.7 2871.9,2532.6 2871.9,2631.9 2766.77,2737.03 2766.77,2782.93 2728.43,2821.27 2728.43,2846.57 U10.23@2720,2855
B1: 3v3.4 b0-b3.4 P2.4 U10.24 | length 3766
  Top w15: U10.24@2720,2755 2771.5,2703.5 2834.2,2703.5 2874.7,2744 2874.7,3232.98 2889.1,3247.38 P2.4@2889.1,3259.3
  Bottom w8: 3v3.4@1788.9,1104.5 3v3.4@1790.25,1103.15
  Bottom w15: b0-b3.4@1790.25,876.25 3v3.4@1790.25,1103.15 ; b0-b3.4@1791.6,874.9 1903.4,763.1 2260.2,763.1 2573.03,1075.93 2573.03,1367.82 2572.9,1367.95 2572.9,1872.8 2525.3,1920.4 2525.3,2218.4 2824.2,2517.3 2824.2,2614.1 2723.44,2714.86 2723.44,2751.56 U10.24@2720,2755
B2: 3v3.5 b0-b3.5 P2.5 U10.25 | length 3622.4
  Top w12: 2841.5,3283.7 2864,3306.2 2864,3306.8 2941.6,3306.8 P2.5@2989.1,3259.3
  Top w15: U10.25@2620,2855 2620,2846.6 2661.5,2805.1 2761.2,2805.1 2774.1,2818 2774.1,2881.6 2841.5,2949 2841.5,3283.7
  Bottom w8: 3v3.5@1888.9,1104.5 3v3.5@1890.25,1103.15
  Bottom w15: b0-b3.5@1890.25,876.25 3v3.5@1890.25,1103.15 ; b0-b3.5@1891.6,874.9 1961.6,804.9 2082.9,804.9 2374.5,1096.5 2374.5,1406.4 2473.7,1505.6 2473.7,1874.4 2503.2,1903.9 2503.2,2272.58 2674.2,2443.58 2674.2,2800.8 U10.25@2620,2855
B3: 3v3.6 b0-b3.6 P2.7 U10.26 | length 3292.2
  Top w15: U10.26@2620,2755 2700.8,2674.2 3040.1,2674.2 3066,2700.1 3066,3136.2 P2.7@3189.1,3259.3
  Bottom w8: 3v3.6@1988.9,1104.5 3v3.6@1990.25,1103.15 ; b0-b3.6@1990.25,876.25 b0-b3.6@1991.6,874.9
  Bottom w15: 3v3.6@1988.9,1104.5 1988.9,1193.9 2113.92,1318.92 2194.02,1318.92 2196.97,1321.87 2200.82,1321.87 2282.75,1403.8 2282.75,1408.75 2371.7,1497.7 2371.7,1793.7 2421.8,1843.8 2421.8,2020.58 2465.2,2063.98 2465.2,2283.4 2570.5,2388.7 2570.5,2705.5 U10.26@2620,2755 ; b0-b3.6@1990.25,876.25 3v3.6@1990.25,1103.15
B11: R17.1 R18.1 U10.47 | length 418.9
  Top w15: U10.47@2020,1655 2020,1659.13 2178.3,1817.43 R17.1@2178.3,1888.2 ; R17.1@2176.7,1895.44 R17.1@2176.7,1899.9
  Top w20: R17.1@2176.7,1895.44 R17.1@2178.8,1893.34 ; R17.1@2176.7,1899.22 2176.7,1896.01 2184.51,1888.2 2267.21,1888.2 2277.17,1878.24 R18.1@2278.3,1878.24 ; R17.1@2177.5,1893.34 R17.1@2177.9,1892.94
B12: U10.29 uart1.4 | length 575.9
  Top w12: U10.29@2407.27,2855 U10.29@2420,2855 ; uart1.4@2416,2508.5 uart1.4@2425,2499.5
  Bottom w8: uart1.4@2423.5,2498 uart1.4@2425,2499.5
  Bottom w15: U10.29@2420,2855 2413.8,2855 2368.71,2809.91 2312.11,2809.91 2273,2770.8 2273,2595.1 2370.1,2498 uart1.4@2423.5,2498
B13: U10.27 uart1.3 | length 533.2
  Top w12: uart1.3@2525,2499.5 uart1.3@2525,2509.66
  Top w15: U10.27@2517.9,2855 U10.27@2520,2855
  Bottom w15: U10.27@2520,2855 2515.7,2855 2467,2806.3 2404.5,2806.3 2375.6,2777.4 2375.6,2641.1 2421.6,2595.1 2424.1,2595.1 2519.7,2499.5 uart1.3@2525,2499.5
B14: U10.30 wifi_uart3.1 | length 3366.4
  Top w8: U10.30@2420,2755 2471.7,2806.7 ; 2726.7,3165.13 2728.63,3167.06 2728.63,3310.1 2728.63,3319 2773.43,3363.8 4150.7,3363.8
  Top w15: 2471.7,2806.7 2471.7,2910.13 2726.7,3165.13 ; 4150.7,3363.8 4495.6,3018.9 5160.6,3018.9 wifi_uart3.1@5218,2961.5
B15: U10.28 wifi_uart3.5 | length 3373.5
  Top w8: 2743.2,3139.1 2743.2,3293.4 2800.6,3350.8 4139.27,3350.8 4710.07,2780
  Top w15: U10.28@2520,2755 2568.4,2803.4 2568.4,2964.3 2743.2,3139.1 ; 4710.07,2780 5185.45,2780 5203.95,2761.5 wifi_uart3.5@5218,2761.5
B18: P12.3 U10.34 | length 1727.7
  Top w12: U10.34@2213.74,2761.26 U10.34@2220,2755
  Top w15: P12.3@1760,3582.48 1760,3537.6 1774.08,3523.52 1798.13,3499.47 2254.67,3499.47 v1(2282.5,3527.3)
  Bottom w12: 2272.6,2875.5 2333.7,2936.6 2416.6,2936.6 2444,2964 2444,3523.1 2388.54,3578.56 2388.54,3584.9 2340.1,3584.9 v1(2282.5,3527.3)
  Bottom w15: U10.34@2220,2755 2272.6,2807.6 2272.6,2875.5
B19: P12.4 U10.33 | length 1519.6
  Top w12: 2236.3,3672 v1(2366.7,3541.6)
  Top w15: P12.4@1760,3767.52 1760,3722.64 1810.64,3672 2236.3,3672
  Bottom w12: U10.33@2220,2855 2421.8,3056.8 ; 2366.7,3390.53 v1(2366.7,3541.6)
  Bottom w15: 2366.7,3390.53 2421.8,3335.43 2421.8,3056.8
B20: csi.15 U10.36 | length 544.4
  Top w8: U10.36@2120,2755 2120,2765.2 2077,2808.2 2077,2899.9 csi.15@2346.9,3169.8
B22: csi.5 U10.38 | length 486.5
  Top w8: csi.5@1846.9,3169.8 1846.9,3030.1 1972.53,2904.47 1972.53,2808.17 2020,2760.7 U10.38@2020,2755
B24: csi.2 U10.40 | length 630.6
  Top w8: csi.2@1646.9,3269.8 1694.1,3222.6 1694.1,3025.2 1889.58,2829.72 1890.52,2828.67 ccw(c1920,2855) 1894.52,2824.78 1923.27,2796.03 1923.27,2758.27 U10.40@1920,2755
B25: csi.4 U10.39 | length 519.2
  Top w8: csi.4@1746.9,3269.8 1707.37,3230.27 1707.37,3067.63 U10.39@1920,2855
B26: csi.6 U10.42 | length 717
  Top w8: csi.6@1846.9,3269.8 1799.6,3222.5 1799.6,3033.2 1959.53,2873.27 1959.53,2694.53 U10.42@1920,2655
B27: csi.8 U10.41 | length 718.1
  Top w8: csi.8@1946.9,3269.8 1902.7,3225.6 1902.7,3032.2 2064,2870.9 2064,2704.1 2020,2660.1 U10.41@2020,2655
B28: csi.10 U10.46 | length 2401.1
  Bottom w12: 1592.3,2888.4 1592.3,1650.1 1687.4,1555
  Bottom w15: 1592.3,2888.4 1794.7,3090.8 1794.7,3320.01 1803.49,3328.8 1987.9,3328.8 csi.10@2046.9,3269.8 ; 1687.4,1555 U10.46@1920,1555
B29: csi.12 U10.45 | length 2077
  Bottom w12: 1627.8,2698.18 1627.8,1740.2 1713,1655 ; 2105.9,3198.37 2105.9,3228.8 csi.12@2146.9,3269.8
  Bottom w15: 1627.8,2698.18 1872.56,2942.94 1880.39,2942.94 2060.85,3123.4 2061.35,3123.4 2103.87,3165.92 2103.87,3196.35 2105.9,3198.37 ; 1713,1655 U10.45@1920,1655
B30: csi.14 U10.43 | length 1933.2
  Bottom w8: 2203.87,3170.87 2207.67,3174.67
  Bottom w12: 1659.3,2015.7 1659.3,2693.57
  Bottom w15: 1659.3,2015.7 U10.43@1920,1755 ; 1659.3,2693.57 2068.57,3102.83 ; 2069.13,3103.4 2175.7,3103.4 2203.87,3131.57 2203.87,3170.87 2203.87,3193.24 2238.91,3228.27 2238.91,3261.81 csi.14@2246.9,3269.8
B31: csi.16 U10.44 | length 2019
  Bottom w12: 1700.7,2060.1 1700.7,2696.9
  Bottom w15: 1700.7,2060.1 1991.11,1769.69 1993.39,1769.69 2008.08,1755 U10.44@2020,1755 ; 1700.7,2696.9 2086,3082.2 2249.8,3082.2 2291.8,3124.2 2291.8,3214.7 csi.16@2346.9,3269.8
C0: P15.3 U10.82 | length 3976.2
  Top w8: P15.3@1664.2,368.94 P15.3@1664.2,413.82
  Top w12: 3798.9,219.09 3798.9,216.26 3824.26,190.9 3875.66,190.9 3877.76,193
  Top w14: 3887.6,1325.8 3887.6,1326.6
  Top w15: P15.3@1664.2,368.94 1699.64,333.5 2608.2,333.5 2654.5,287.2 2679.1,262.6 2975.6,262.6 3025.2,312.2 3575.5,312.2 3626.2,261.5 3679.82,261.5 3701.79,283.47 3701.79,330.06 3716.05,344.32 3790.11,344.32 3798.9,335.53 3798.9,219.09 ; 3877.76,193 3887.6,202.84 3887.6,1325.8
  Top w39: U10.82@3720,1555 3720,1493.4 3887.6,1325.8
C1: P15.4 U10.79 | length 4034
  Top w8: P15.4@1664.2,228.78 1664.2,273.66 P15.4@1680.28,289.74 ; 2982.7,244.8 2983.02,244.8 3029.79,291.57 3030.73,291.57
  Top w10: 2668.3,244.8 2982.7,244.8
  Top w12: 3030.73,291.57 3031.36,292.2 3567.22,292.2 ; 3893.2,179.4 3907.6,193.8 3907.6,243.55
  Top w14: 3670.4,1601.8 3733.7,1601.8 3771.7,1563.8 3771.7,1486.25 3841.64,1416.31 3842.34,1416.31 3912.28,1346.38
  Top w15: P15.4@1680.28,289.74 1697.84,307.3 2605.8,307.3 2668.3,244.8 ; 3567.22,292.2 3680.02,179.4 3809.6,179.4 3816.6,172.4 3885.44,172.4 3892.44,179.4 3893.2,179.4 ; U10.79@3620,1655 3620,1652.2 3670.4,1601.8 ; 3907.6,243.55 3907.6,785.3 3919.6,797.3 3919.6,1339.05 3912.28,1346.38
C2: P14.3 U10.80 | length 1747.3
  Top w8: 3295.52,1367.13 3296.7,1368.31 ; P14.3@3832.82,512.86 3848.9,496.78 P14.3@3848.9,451.9
  Top w14: 3302.9,1375.68 3379.92,1452.7 3518.57,1452.7 3620,1554.13 U10.80@3620,1555
  Top w15: 3302.9,1375.68 3302.9,694.8 3461.3,536.4 3809.28,536.4 P14.3@3832.82,512.86
C3: P13.3 U10.77 | length 5504.5
  Top w14: U10.77@3520,1655 3526.28,1661.28 3526.28,1692.18
  Top w15: 3526.28,1692.18 3592.4,1758.3 4664.9,1758.3 4809.5,1902.9 4811.21,1902.9 4814.71,1906.4 5134.2,1906.4 5137.7,1906.4 5202.98,1971.68 5202.98,2365.88 5315.3,2478.2 5364.68,2478.2 5480.5,2594.02 5480.5,3538.7 5372,3647.2 4349.5,3647.2 4119.4,3877.3 3982.4,3877.3 3952.2,3847.1 3952.2,3665.16 3990,3627.36 P13.3@3990,3582.48
C4: R27.2 R28.1 U10.78 | length 1906.4
  Top w8: R27.2@5087.34,1121.9 5098.05,1132.61 5098.05,1145.05 5142.48,1189.48 5142.48,1209.16 R28.1@5147.12,1213.8
  Bottom w8: U10.78@3520,1550.4 U10.78@3520,1555
  Bottom w15: U10.78@3520,1550.4 3868.7,1201.7 5063.8,1201.7 v1(5132.3,1270.2)
C5: Rsa11.1 Rsa12.1 U10.75 | length 1229.8
  Top w8: Rsa12.1@3615.3,2204.55 Rsa12.1@3623.44,2196.4
  Top w15: U10.75@3420,1655 3420,1659.78 3569.72,1809.5 3574.5,1809.5 3577,1812 ; 3628.57,2162.1 3630.34,2162.1 3667.12,2125.32
  Top w20: 3577,1812 3851.4,1812 3911.8,1872.4 3911.8,2086.58 3900.08,2098.3 3694.14,2098.3 3667.12,2125.32 ; Rsa12.1@3615.3,2204.55 Rsa11.1@3615.3,2273.04 ; Rsa12.1@3623.44,2196.4 3628.57,2191.27 3628.57,2162.1
C6: Servo_1.3 U10.76 | length 228.4
  Top w14: U10.76@3420,1555 U10.76@3429.71,1564.71
  Bottom w14: Servo_1.3@3369.3,1361.3 3417.1,1409.1 3417.1,1552.1 U10.76@3420,1555
C7: Rsa21.1 Rsa22.1 U10.73 | length 2361.6
  Top w8: Rsa21.1@4392.56,2605.2 Rsa21.1@4395.3,2602.46
  Top w15: 3575.9,2182.95 3693.78,2065.07 3703.38,2065.07
  Top w20: U10.73@3320,1655 3321.5,1655 3506.9,1840.4 3836.4,1840.4 3879.2,1883.2 3879.2,2030.7 3844.83,2065.07 3703.38,2065.07 ; 3575.9,2182.95 3575.9,2367.2 3594.3,2385.6 3723.42,2385.6 4016.59,2678.77 4294.14,2678.77 4313.23,2659.68 4313.23,2608.92 Rsa22.1@4316.95,2605.2
  Top w30: Rsa22.1@4316.95,2605.2 Rsa21.1@4392.56,2605.2
C8: receive_UART3.8 U10.74 uart3.4 wifi_uart3.8 | length 5011.9
  Top w14: U10.74@3320,1555 3272.8,1602.2 3272.8,1677.5 3617.9,2022.6 uart3.4@3617.9,2080.1
  Bottom w8: wifi_uart3.8@5318,2661.5 5333.95,2661.5 5349.54,2645.91 5350.7,2645.91
  Bottom w15: uart3.4@3600.76,2081.04 3601.26,2081.04 uart3.4@3610.05,2072.25 ; uart3.4@3617.9,2080.1 3849.7,1848.3 5299.9,1848.3 5392.3,1940.7 ; receive_UART3.8@5407.1,543.2 5359.5,590.8 5359.5,1192.35 5428.9,1261.75
  Bottom w20: 5431.8,2100.15 5431.8,2145.88 5438.8,2152.88 5438.8,2557.81 5431.8,2564.81
  Bottom w25: 5392.3,1940.7 5392.3,2002.2 5402.7,2012.59 5402.7,2071.05 5431.8,2100.15 ; 5428.9,1261.75 5428.9,2097.25
  Bottom w30: 5350.7,2645.91 5431.8,2564.81
C9: receive_UART3.6 U10.71 uart3.3 wifi_uart3.6 | length 5653.3
  Top w14: U10.71@3220,1655 3521,1956 3521,2077 uart3.3@3517.9,2080.1
  Bottom w8: 5333.7,2477.4 5334.7,2477.4
  Bottom w15: uart3.3@3517.9,2080.1 3564.9,2127.1 3564.9,2130.13 3638.32,2130.13 3898.45,1870 5228.9,1870 5297.9,1939 5297.9,2043.8 5416.3,2162.2 5416.3,2395.8 5334.7,2477.4 ; 5333.7,2477.4 5267.1,2544 5267.1,2710.6 wifi_uart3.6@5318,2761.5 5471.3,2608.2 5471.3,707.4 receive_UART3.6@5407.1,643.2
C10: Rsa31.1 Rsa32.1 U10.72 | length 1600.5
  Top w14: U10.72@3220,1555 3267.6,1507.4 3451.8,1507.4 3470,1525.6 3470,1681.5
  Top w15: 3470,1681.5 3578,1789.5 Rsa32.1@4520.24,1789.5 Rsa32.1@4520.7,1789.95
  Top w20: Rsa32.1@4520.7,1789.95 Rsa31.1@4520.7,1861.64
C11: Rsa41.1 Rsa42.1 U10.69 | length 2172.5
  Top w8: Rsa42.1@4515.03,2585.11 Rsa42.1@4517,2585.11 ; Rsa41.1@4599.35,2585.11 Rsa41.1@4604.34,2590.1
  Top w14: U10.69@3120,1655 3208.6,1743.6
  Top w15: 3208.6,1743.6 3208.6,2092.9 3524.6,2408.9 3699.6,2408.9 3991.97,2701.27 4398.87,2701.27 Rsa42.1@4515.03,2585.11
  Top w30: Rsa42.1@4517,2585.11 Rsa41.1@4599.35,2585.11
C12: Rsa51.1 Rsa52.1 U10.70 | length 2887
  Top w14: U10.70@3120,1555 3194.2,1480.8 3519.8,1480.8 3569.2,1530.2 3569.2,1645.66
  Top w15: 3569.2,1645.66 3569.2,1665.05 3602.03,1697.88 3602.74,1697.88 3639.66,1734.8 4671.4,1734.8 4823,1886.4 5273.9,1886.4 5302.8,1915.3 5302.8,2145.93 5231.36,2217.37 Rsa51.1@5231.36,2218.5 5232.24,2219.38 5232.24,2231.05 5234.4,2233.21 5234.4,2278.79 5236.48,2280.88 5236.48,2295.1 5237.23,2295.84 Rsa52.1@5239.2,2295.84
C13: Rdct1.1 Rdct2.1 U10.67 | length 2168.6
  Top w8: 3761.53,2878.47 3762.26,2877.74
  Top w12: 3710.7,2682.8 3764.26,2736.36 3764.26,2875.74 3762.26,2877.74
  Top w14: U10.67@3020,1655 3145.3,1780.3
  Top w15: 3145.3,1780.3 3156.8,1791.8 3156.8,2114.6 3499.4,2457.2 3592.4,2457.2 3710.7,2575.5 3710.7,2682.8 ; Rdct2.1@3388,3106.74 Rdct2.1@3394.64,3100.1 3394.64,3039.06 3446.6,2987.1 3652.9,2987.1 3761.53,2878.47
  Top w30: Rdct2.1@3388,3106.74 Rdct1.1@3388,3184.14
C16: send_UART4.1 U10.66 uart4.4 | length 3227.7
  Top w15: 2866.1,1608.9 U10.66@2920,1555
  Top w18: 2866.1,1608.9 2866.1,1620.9 2864.53,1622.47 2864.53,1894.43 uart4.4@3178,2207.9
  Bottom w15: 3660.5,2141.5 3661.8,2140.2 ; 4681.63,1993.1 4682.2,1993.1
  Bottom w20: uart4.4@3178,2207.9 3594.1,2207.9 3660.5,2141.5 ; 3661.8,2140.2 4256.9,2140.2 4374.67,2022.43 4652.3,2022.43 4681.63,1993.1 ; 4682.2,1993.1 4764.5,1910.8 4894.9,1910.8 5073.4,2089.3 5264.7,2089.3 send_UART4.1@5362.5,2187.1
C17: U10.63 uart4.3 | length 659.8
  Top w20: U10.63@2820,1655 2820,1949.9 uart4.3@3078,2207.9
C18: P2.8 U10.64 | length 2361.8
  Top w15: 2773.1,1601.9 U10.64@2820,1555 ; P2.8@3289.1,3259.3 3294.1,3254.3 3294.1,3111.32 3438.32,2967.1 3468.75,2967.1 3563.03,2872.82 3563.03,2737.18 3506.95,2681.1 3476.2,2681.1
  Top w18: 2773.1,1601.9 2773.1,2253.8 2903.05,2383.75 3178.85,2383.75 3476.2,2681.1
C19: P2.6 U10.61 | length 2388.8
  Top w8: P2.6@3089.1,3259.3 3135.2,3305.4 3221.9,3305.4 3229.1,3298.2 3229.1,3134.1
  Top w12: 3171.18,2426.88 3472.6,2728.3
  Top w15: U10.61@2720,1655 2720,2267.5 2879.38,2426.88 3171.18,2426.88 ; 3229.1,3134.1 3472.6,2890.6 3472.6,2728.3